# Altium PCB V3mycar.PcbDoc (part 4 of 4)
Units mil, origin at the board's own origin, x right, y up, seen from the top; angles counter-clockwise.
Board outline 5668.3 x 4141.25 mil, 2 copper layers (Top Layer, Bottom Layer); 227 components, 0 nets, 638 pads, 77 vias.
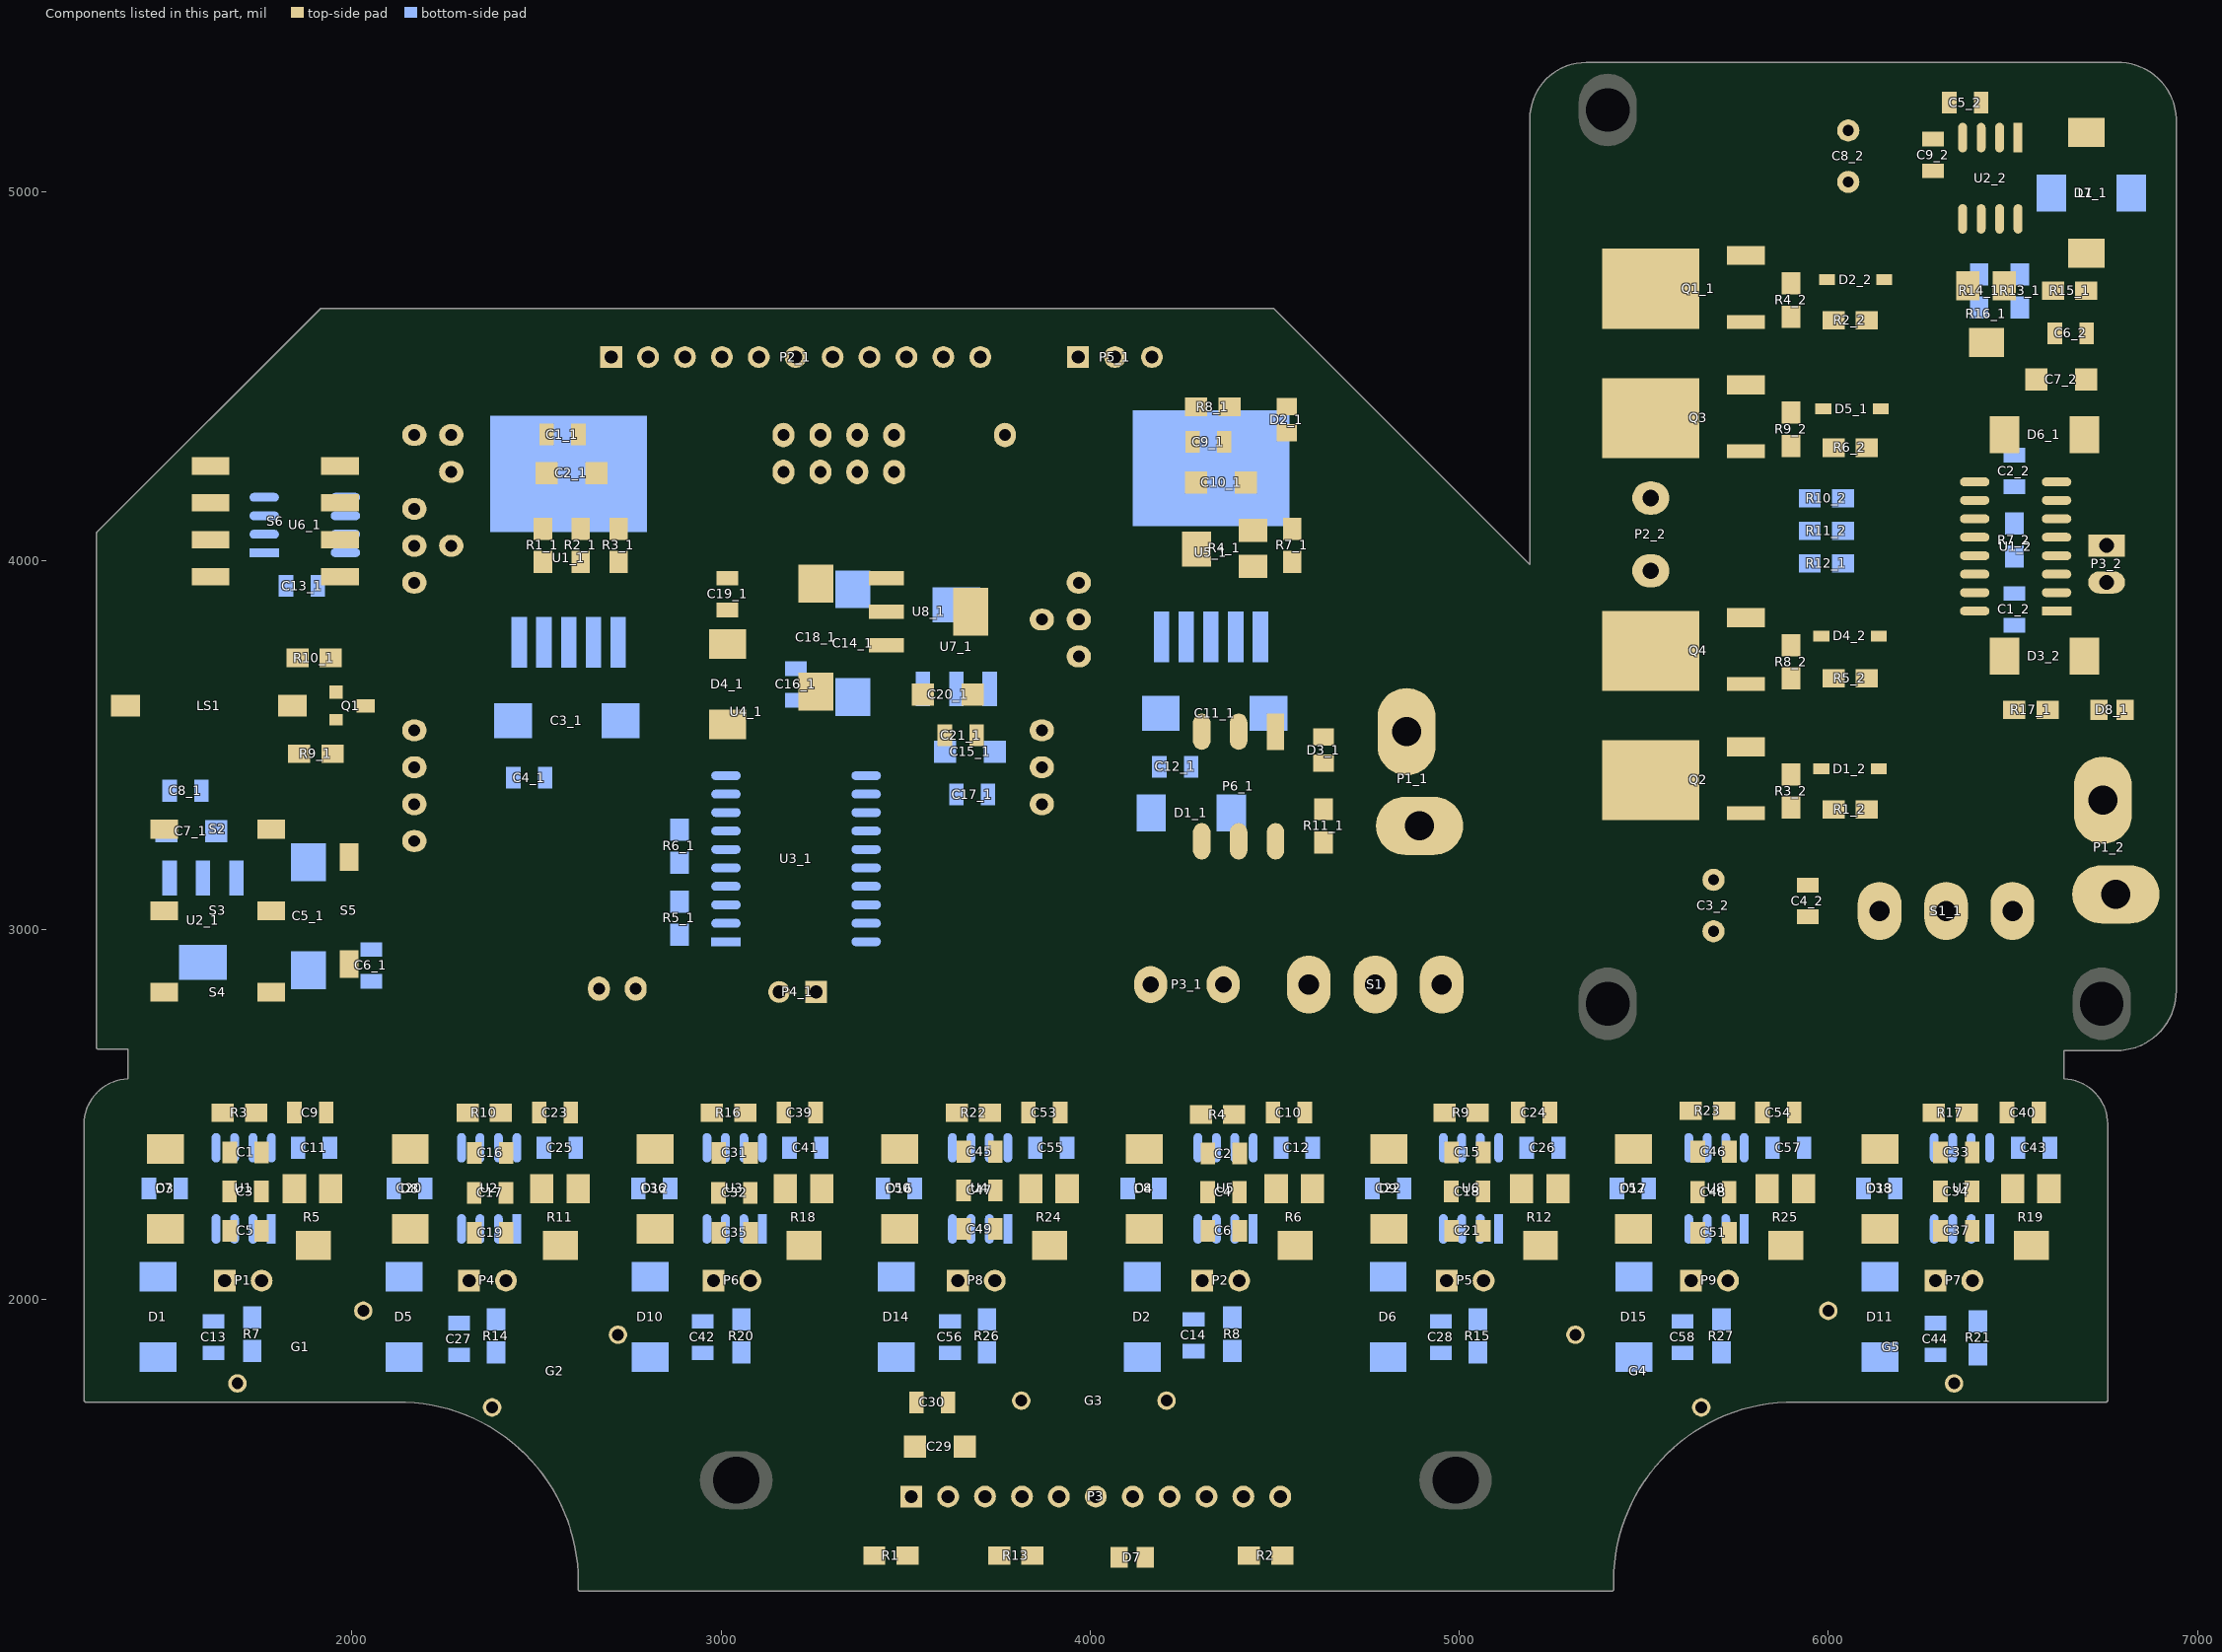
[diagram p4: the components of this part, seen from the top]

## Via types
v1: diameter 30, hole 20, Top Layer to Bottom Layer, 49 vias
v2: diameter 25, hole 18, Top Layer to Bottom Layer, 9 vias
v3: diameter 40, hole 30, Top Layer to Bottom Layer, 6 vias
v4: diameter 78.74, hole 39.37, Top Layer to Bottom Layer, 4 vias
v5: diameter 35, hole 20, Top Layer to Bottom Layer, 4 vias
v6: diameter 20, hole 15, Top Layer to Bottom Layer, 4 vias
v7: diameter 60, hole 30, Top Layer to Bottom Layer, 1 vias

## Nets (pads, with @x,y where several pads share a name; then routed paths per layer and width w, separated by ;. In a path a pad name is that pad's centre, name@x,y a point inside that pad or via, vN(x,y) a via of type N, cw(c..) or ccw(c..) an arc to the next point about the centre after c; other vN are vias at no path point) (continued)
copper on no net: (continued)
  Top Layer w30: v1(1450,2300) 1450,2362 1495,2407 ; 1495,2190 1390,2190 1355,2225 1355,2450 1467.01,2562.01 1675,2562.01 ; v1(1585,2395) 1666.04,2395 1668.66,2397.62 ; 1650,2505 1650,2537.01 1675,2562.01 ; 1671.76,2558.77 1675,2562.01 ; 1689.52,1771.57 2314.52,1771.57 2379.52,1706.57 3168.43,1706.57 3335,1540 v6(3335,1375) ; 1740,2505 1754.66,2490.34 1754.66,2397.62 ; 1754.06,2291.31 1755,2290.38 1755,2050 ; 1781.09,2831.13 1942.09,2992.13 2012.09,2992.13 2168.86,3148.9 2168.86,3240.91 ; 1781.09,3052.13 1962.09,3052.13 2077.09,3167.13 2077.09,3277.13 2140.87,3340.91 2168.86,3340.91 ; 1781.09,3273.13 1878.09,3273.13 2145.87,3540.91 2168.86,3540.91 ; 1838.46,3607.13 1876.22,3569.37 1956.81,3569.37 ; v1(1843.82,2226.18) 1843.82,2298.86 ; 1852.09,3737.13 1852.09,3707.13 1914.84,3644.37 1956.81,3644.37 ; 1895,2145.31 1942.24,2192.56 1942.24,2298.86 v1(1942.24,2367.76) ; 1930,2505 1930,2545 1912.99,2562.01 ; 1942.09,3737.13 1965.08,3737.13 2168.86,3940.91 ; 1947.09,3477.13 1967.09,3477.13 2036.81,3546.85 2036.81,3606.37 ; 1992.09,3197.13 1992.09,3292.13 2140.87,3440.91 2168.86,3440.91 ; 2030.48,1968.43 2655.48,1968.43 ; v1(2112.86,2300) 2112.86,2362 2157.86,2407 ; v1(2245,2385) 2255.96,2395.96 2331.52,2395.96 ; 2312.86,2505 2312.86,2539.87 2335,2562.01 ; 2317.14,2050 2331.52,2064.38 2331.52,2180 2167.86,2180 2157.86,2190 2095,2190 2050,2235 2050,2557.01 2055,2562.01 ; 2402.86,2505 2417.52,2490.34 2417.52,2395.96 ; 2416.92,2287.98 2417.14,2287.76 2417.14,2050 ; v1(2495,2225) 2513.82,2243.82 2513.82,2298.86 ; 2565,2145.31 2612.24,2192.56 2612.24,2298.86 2605,2306.1 v1(2605,2370) ; 2592.86,2505 2592.86,2532.14 2562.99,2562.01 ; 2720.48,1903.43 2655.48,1968.43 ; v1(2775.71,2300) 2775.71,2362 2820.71,2407 ; v1(2910,2395) 2909.04,2395.96 2993.66,2395.96 ; 2975,2505 2975,2562.01 ; 2979.29,2050 2993.66,2064.38 2993.66,2180 2830.71,2180 2820.71,2190 2755,2190 2690,2255 2690,2562.01 ; 3065,2505 3079.66,2490.34 3079.66,2395.96 ; 3079.06,2287.98 3079.29,2287.76 3079.29,2050 ; v1(3155,2225) 3173.82,2243.82 3173.82,2298.86 ; 3225,2145.31 3272.24,2192.56 3272.24,2298.86 3271.43,2299.67 3275,2303.25 v1(3275,2370) ; 3255.71,2505 3255.71,2561.29 3255,2562.01 ; 3415,1305 3415,1750 3196.57,1968.43 ; v1(3438.57,2300) 3438.57,2362 3483.57,2407 ; v1(3580,2400) 3580.71,2399.29 3657.23,2399.29 ; 3638.57,2505 3638.57,2560.58 3640,2562.01 ; 3641.43,2050 3657.23,2065.8 3657.23,2190 3483.57,2190 3430,2190 3355,2265 3355,2562.01 ; 3728.57,2505 3743.23,2490.34 3743.23,2399.29 ; 3741.43,2050 3741.43,2293.44 3742.63,2294.65 ; v6(3808.43,1968.43) 3196.57,1968.43 ; 3813.15,1725 3955,1725 4133.43,1903.43 5314.52,1903.43 5379.52,1968.43 5999.52,1968.43 ; v1(3820,2220) 3838.82,2238.82 3838.82,2298.86 ; 3843.33,1305 4073.47,1305 4078.1,1300.37 ; 3890,2145.31 3937.24,2192.56 3937.24,2298.86 3937.24,2367.76 v1(3936.12,2368.88) ; 3918.57,2505 3918.57,2560.58 3920,2562.01 ; v1(4101.43,2300) 4101.43,2362 4146.43,2407 ; 4206.85,1725 4255,1725 4515,1465 ; v1(4225,2395) 4225.71,2394.29 4318.66,2394.29 ; 4300,2500 4300,2557.01 4305,2562.01 ; 4390,2500 4404.66,2485.34 4404.66,2394.29 ; 4403.57,2050 4403.57,2289.15 4404.06,2289.65 ; 4430,1305 4425.37,1300.37 4148.97,1300.37 4148.97,1351.03 4115,1385 3650,1385 3615,1420 3615,1465 3615,1555 3660,1600 3615,1645 3615,1720 3615,1730 3680,1795 3895,1795 4150,2050 4303.57,2050 4318.66,2065.09 4318.66,2185 4151.43,2185 4146.43,2190 4060,2190 4030,2220 4030,2562.01 ; v1(4485,2225) 4503.82,2243.82 4503.82,2298.86 ; 4515,1310 4515,1465 ; 4555,2145.31 4602.24,2192.56 4602.24,2298.86 4600,2301.1 4605,2306.1 v1(4605,2370) ; 4581.43,2505 4581.43,2558.44 4585,2562.01 ; v1(4764.29,2300) 4764.29,2362 4809.29,2407 ; v1(4887.62,2397.62) 4978.66,2397.62 ; 4960,2505 4960,2557.01 4965,2562.01 ; 4965.71,2050 4978.66,2062.95 4978.66,2185 4814.29,2185 4809.29,2190 4740,2190 4685,2245 4685,2562.01 ; 5050,2505 5064.66,2490.34 5064.66,2397.62 ; 5064.06,2291.31 5065.71,2289.66 5065.71,2050 ; v1(5150,2230) 5168.82,2248.82 5168.82,2298.86 ; 5220,2145.31 5267.24,2192.56 5267.24,2298.86 5265,2301.1 5270,2306.1 v1(5270,2370) ; 5245,2505 5245,2562.01 ; v1(5427.14,2300) 5427.14,2362 5472.14,2407 ; v1(5555,2395) 5559.29,2399.29 5645.8,2399.29 ; 5627.14,2510 5627.14,2559.87 5625,2562.01 ; 5627.86,2050 5645.8,2067.95 5645.8,2180 5482.14,2180 5472.14,2190 5390,2190 5355,2225 5355,2562.01 ; 5717.14,2510 5731.8,2495.34 5731.8,2399.29 ; 5727.86,2050 5727.86,2286.3 5731.21,2289.65 ; v1(5815,2225) 5833.82,2243.82 5833.82,2298.86 ; 5885,2145.31 5932.24,2192.56 5932.24,2298.86 5935,2301.61 v1(5935,2370) ; 5907.14,2505 5907.14,2559.15 5910,2562.01 ; v1(6095,2300) 6095,2362 6140,2407 ; v1(6230,2395) 6232.62,2397.62 6303.66,2397.62 ; 6285,2505 6285,2557.01 6280,2562.01 ; 6290,2050 6303.66,2063.66 6303.66,2185 6145,2185 6140,2190 6065,2190 6020,2235 6020,2562.01 ; 6340.48,1771.57 5720.48,1771.57 5655.48,1706.57 4756.57,1706.57 4515,1465 ; 6375,2505 6389.66,2490.34 6389.66,2397.62 ; 6389.06,2291.31 6390,2290.38 6390,2050 ; v1(6485,2220) 6498.82,2233.82 6498.82,2298.86 ; 6550,2145.31 6597.24,2192.56 6597.24,2298.86 6600,2301.61 v1(6600,2370) ; 6570,2505 6570,2537.01 6545,2562.01 6280,2562.01 ; 1675,2562.01 1912.99,2562.01 ; 1912.99,2562.01 2055,2562.01 ; 2055,2562.01 2335,2562.01 ; 2335,2562.01 2562.99,2562.01 ; 2562.99,2562.01 2690,2562.01 ; 2655.48,1968.43 3196.57,1968.43 ; 2690,2562.01 2975,2562.01 ; 2975,2562.01 3255,2562.01 ; 3255,2562.01 3355,2562.01 ; 3355,2562.01 3640,2562.01 ; 3640,2562.01 3920,2562.01 ; 3920,2562.01 4030,2562.01 ; 4030,2562.01 4305,2562.01 ; 4305,2562.01 4585,2562.01 ; 4585,2562.01 4685,2562.01 ; 4685,2562.01 4965,2562.01 ; 4965,2562.01 5245,2562.01 ; 5245,2562.01 5355,2562.01 ; 5355,2562.01 5625,2562.01 ; 5625,2562.01 5910,2562.01 ; 5910,2562.01 6020,2562.01 ; 6020,2562.01 6280,2562.01
  Top Layer w35: 5518.72,3756.55 5518.72,3671.43 5608.62,3581.54 6143.62,3581.54 6238.62,3676.54 6238.62,3821.54 6331.04,3913.95 v2(6396.2,3913.95) ; 5518.72,4386.89 5518.72,4481.64 5588.62,4551.54 6113.62,4551.54 6238.62,4426.54 6238.62,4186.54 6311.2,4113.95 v2(6396.2,4113.95) ; 5776.6,3316.46 6003.54,3316.46 6013.62,3326.54 6013.62,3403.78 5980.87,3436.54 ; 5776.6,3495.98 v4@5823.86,3495.98 ; 5776.6,3666.79 5998.88,3666.79 6013.62,3681.54 6013.62,3763.78 5980.87,3796.54 ; 5776.6,4297.12 6004.21,4297.12 6013.62,4306.54 6013.62,4383.78 5985.87,4411.54 ; 5776.6,4647.46 6009.54,4647.46 6013.62,4651.54 6013.62,4743.78 5995.87,4761.54 ; 6103.62,3326.54 6103.62,3403.78 6136.38,3436.54 6303.62,3603.78 6303.62,3806.54 6361.04,3863.95 6396.2,3863.95 ; 6103.62,3681.54 6103.62,3763.78 6136.38,3796.54 6136.38,3819.29 6281.04,3963.95 6396.2,3963.95 ; 6141.38,4411.54 6103.62,4373.78 6103.62,4306.54 6103.62,4191.54 6281.2,4013.95 6396.2,4013.95 ; 6151.38,4761.54 6103.62,4713.78 6103.62,4651.54 6303.62,4451.54 6303.62,4201.54 6341.2,4163.95 6396.2,4163.95 ; 6413.62,5146.54 6413.62,5251.54 ; 6618.09,3963.95 6731.2,3963.95 6753.62,3941.54 ; 6618.09,4013.95 6726.04,4013.95 6753.62,4041.54
  Top Layer w40: 1495,2190 1500,2185 1668.66,2185 1668.66,2063.66 1655,2050 ; v1(1772.09,3477.13) 1857.09,3477.13 ; 1992.09,2907.13 1992.09,2812.13 1927.09,2747.13 1575.09,2747.13 1491.09,2831.13 1491.09,3052.13 1491.09,3273.13 1491.09,3501.75 1385.71,3607.13 1616.89,3838.31 1616.89,3957.13 1616.89,4057.13 1616.89,4157.13 1616.89,4257.13 1986.89,4627.13 2762.09,4627.13 2802.09,4587.13 2802.09,4552.13 2802.09,4447.13 2697.09,4342.13 2613.09,4342.13 2613.09,4286.13 2662.09,4237.13 2722.09,4177.13 2722.09,4087.13 2883.09,4087.13 3017.09,3953.13 ; 3017.54,3952.68 3447.91,3952.68 3516.54,3952.68 3547.09,3922.13 3547.09,3637.13 3606.09,3578.13 3606.09,3527.13 3606.09,3463.13 3728.31,3340.91 3868.86,3340.91 3868.86,3440.91 ; 3515,1465 3515,1315 3505,1305 3753.33,1305 ; v6(3637.09,3087.13) 4392.09,3087.13 4502.09,3197.13 4502.09,3240.28 ; 4377.09,4417.13 4531.65,4417.13 ; 4441,3984.62 4453.5,3997.13 4547.09,3997.13 ; v3(4460.94,3910.98) 4460.94,3964.68 ; 4632.09,3327.13 4632.09,3451.69 ; 5688.62,3135.91 5949.25,3135.91 6034.88,3221.54 6493.62,3221.54 6623.62,3351.54 6743.62,3351.54 6804.06,3411.97 6804.06,3596.54 6893.62,3686.1 6893.62,4141.54 6891.2,4143.95 ; 6052.99,5166.54 6196.73,5310.28 6557.36,5310.28 ; 6053.62,5026.54 6368.62,5026.54 6413.62,4981.54 v2(6413.62,4926.54) ; 6053.62,5165.91 6072.99,5146.54 6268.62,5146.54 ; 6327.62,5251.54 6327.62,5205.54 6268.62,5146.54 ; 6353.62,5146.54 6268.62,5146.54 ; 6363.62,4926.54 6363.62,4881.54 6475.87,4769.29 6475.87,4745.39 ; 6377.44,4745.39 6377.44,4643.03 6428.62,4591.85 ; 6396.2,4063.95 6466.04,4063.95 6518.62,4116.54 ; v5(6428.62,4481.54) 6428.62,4591.85 ; 6463.62,5146.54 6463.62,5216.54 6557.36,5310.28 ; 6489.72,4731.54 6608.62,4731.54 ; 6503.62,3596.54 6503.62,3714.54 6476.62,3741.54 6518.62,3783.54 6518.62,3946.54 ; 6563.62,4491.54 6613.62,4541.54 6613.62,4616.54 6453.31,4616.54 6428.62,4591.85 ; 6593.62,3596.54 6733.19,3596.54 ; 6618.09,3913.95 6551.2,3913.95 6518.62,3946.54 ; v2(6618.09,4113.95) 6891.2,4113.95 6891.2,4143.95 ; 6618.09,4163.95 6561.2,4163.95 6518.62,4206.54 ; 6618.09,4213.95 6821.2,4213.95 6891.2,4143.95 ; v2@6624.57,3857.48 6693.62,3788.43 6693.62,3741.54 ; v5(6820.62,4996.54) 6820.62,4778.54 6773.62,4731.54 6698.62,4731.54 6698.62,4346.54 6693.62,4341.54 6628.62,4341.54 6518.62,4231.54 6518.62,4206.54 ; 6518.62,3946.54 6518.62,4116.54 ; 6518.62,4116.54 6518.62,4206.54 ; 6557.36,5310.28 6768.37,5310.28 6769.06,5309.59 6770.57,5309.59 6891.2,5188.95 6891.2,4143.95
  Top Layer w45: 6393.62,4226.54 6393.62,4258.54 v2(6418.62,4283.54) 6476.62,4341.54
  Top Layer w50: v3(2453.23,3900.98) 2453.23,4163.27 2527.09,4237.13 2527.09,4342.13 2527.09,4437.13 2642.09,4552.13 2702.09,4552.13 ; 2453.23,3997.13 2517.09,3997.13 ; 2517.09,4087.13 2619.59,4087.13 ; 2619.59,3997.13 2722.09,3997.13 v3(2722.09,3902.13) ; 5518.72,4737.22 5518.72,4831.64 5713.62,5026.54 6053.62,5026.54 ; 5776.6,3846.32 5823.84,3846.32 v4(5843.62,3826.54) ; 5776.6,4476.65 5823.37,4476.65 v4(5843.49,4456.54) ; 5776.6,4826.98 5823.13,4826.98 5843.58,4806.54 v4@5843.62,4806.57 ; v4@5823.86,3495.98 v4(5843.31,3476.54) ; v4(5843.62,4811.56) v4@5843.62,4806.57 ; v4@5848.6,4801.52 5843.62,4806.5 v4@5843.62,4806.57 ; 6523.62,5146.54 v5(6588.62,5146.54) 6685,5146.54 6698.62,5160.16
  Top Layer w60: 3017.09,3867.13 3017.09,3774.13 3129.02,3774.13 3257.09,3646.06 3382.6,3771.57 3447.91,3771.57 ; 3515,1465 3529,1479 3529,1720 3529,1779 3615,1865 3850,1865 4030,2045 v3(4030,2095) ; 3692.09,3846.3 3692.09,3527.13 3705.87,3540.91 3868.86,3540.91 ; 4067.09,4552.13 4067.09,4512.13 4162.09,4417.13 4277.09,4417.13 4277.09,4211.69 4192.09,4116.69 4192.09,4027.13 ; v3(4192.09,3912.13) 4192.09,4027.13 ; 4441,4083.05 4338.64,4083.05 4287.46,4031.87 4196.83,4031.87 4192.09,4027.13 ; 4505.24,3237.13 4632.09,3237.13 ; 4512.09,3537.13 4617.52,3537.13 4632.09,3522.56 4842.52,3522.56 ; 4527.3,4341.91 4507.52,4322.13 4377.09,4322.13 4370.09,4315.13 4422.09,4263.13 4422.09,4211.69 4487.52,4211.69 4547.09,4152.13 4547.09,4087.13 4662.09,4087.13 4857.09,3892.13 4857.09,3537.13
  Top Layer w80: v7(2447.09,2997.13) 3272.09,2997.13 ; v3(3127.09,3557.13) 3017.09,3557.13 3017.09,3252.13 3272.09,2997.13 ; 4360.51,2852.13 4215.51,2997.13 3272.09,2997.13
  Top Layer w100: v4(5843.31,3476.54) 5883.46,3436.38 ; v4(5843.49,4456.54) 5883.56,4416.47 ; v4(5843.62,3826.54) 5883.62,3786.54 ; v4@5848.6,4801.52 5883.6,4766.52
  Top Layer w137.8: 5518.72,4737.22 5409.31,4737.22 5283.62,4611.54 5283.62,3551.54 5428.94,3406.22 5518.72,3406.22 5518.72,3096.43 5618.62,2996.54 5688.62,2996.54 6083.62,2996.54 6138.62,3051.54
  Top Layer w150: 4772.09,2852.13 4772.09,3162.13 4892.09,3282.13
  Top Layer w157.48: 5518.62,3973.11 5518.72,3973.01 5518.72,3756.55 ; 5518.62,4169.96 5518.72,4170.06 5518.72,4386.89
  Top Layer w196.85: 6343.62,3051.54 6498.62,3051.54 6733.62,3051.54 ; 6738.62,3056.54 6778.62,3096.54
  Bottom Layer w20: 1982.09,4122.13 2032.09,4122.13 2113.31,4040.91 2168.86,4040.91 ; 1982.09,4172.13 2047.09,4172.13 2127.81,4091.41 2218.36,4091.41 2268.86,4040.91 ; 2902.09,4552.13 2902.09,4542.13 3062.09,4382.13 3127.64,4382.13 3168.86,4340.91 ; 3002.09,4552.13 3112.09,4442.13 3157.09,4442.13 3219.36,4379.85 3219.36,4291.41 3168.86,4240.91 ; 3102.09,4552.13 3268.86,4385.35 3268.86,4340.91 ; 3202.09,4552.13 3202.09,4522.13 3319.36,4404.85 3319.36,4291.41 3268.86,4240.91 ; 3302.09,4552.13 3302.09,4542.13 3368.86,4475.35 3368.86,4340.91 ; 3368.86,4240.91 3418.36,4290.41 3418.36,4535.85 3402.09,4552.13 ; 3468.86,4240.51 3602.09,4373.74 3602.09,4552.13 ; 3468.86,4340.51 3468.86,4358.9 3502.09,4392.13 3502.09,4552.13 ; 3702.09,4552.13 3702.09,4407.68 3768.86,4340.91
  Bottom Layer w30: v1(1450,2300) 1450,2085 1475,2060 ; 1475,1843 1492,1860 1730,1860 1920,1860 2015,1765 2490,1765 2630,1625 3555,1625 3715,1465 ; 1536,2300 1536,2346 v1(1585,2395) 1600,2410 1631.65,2410 ; v1(1668.06,2291.31) 1681.65,2277.73 1681.65,2190 ; 1731.65,2410 1731.65,2461.65 1775,2505 v1(1844,2505) ; 1781.65,2190 1807.64,2190 v1(1843.82,2226.18) ; 1781.65,2410 1854,2410 ; 1940,2410 1942.76,2407.24 1942.24,2406.73 v1(1942.24,2367.76) ; v1(2112.86,2300) 2112.86,2088.57 2141.43,2060 ; 2141.43,1843 2153.43,1855 2390,1855 2570,1855 2745,1680 3600,1680 3815,1465 ; 2198.86,2300 2198.86,2338.86 v1(2245,2385) 2270,2410 2296.65,2410 ; 2296.65,2190 2296.65,2070.49 2317.14,2050 ; v1(2330.92,2287.98) 2346.65,2272.25 2346.65,2190 ; 2390,1945 2300,1945 2300,2032.86 2317.14,2050 ; 2396.65,2190 2396.65,2129.51 2317.14,2050 ; 2396.65,2410 2396.65,2476.65 2425,2505 v1(2506.86,2505) ; 2446.65,2190 2460,2190 v1(2495,2225) ; 2446.65,2410 2519.71,2410 ; v1(2605,2370) 2605,2409.29 2605.71,2410 ; 2668.86,2840.91 2668.86,3063.9 2787.09,3182.13 2887.09,3182.13 2892.09,3182.13 2956.09,3118.13 3013.09,3118.13 ; 2768.86,2840.91 2768.86,3023.9 2822.09,3077.13 2887.09,3077.13 2902.09,3077.13 2961.09,3018.13 3013.09,3018.13 ; v1(2775.71,2300) 2775.71,2092.14 2807.86,2060 ; 2807.86,1843 2819.86,1855 3055,1855 3170,1740 3640,1740 3915,1465 ; 2861.71,2300 2861.71,2346.71 v1(2910,2395) 2925,2410 2961.65,2410 ; 2961.65,2190 2961.65,2067.64 2979.29,2050 ; v1(2993.06,2287.98) 3011.65,2269.39 3011.65,2190 ; 3055,1945 2955,1945 2979.29,1969.29 2979.29,2050 ; 3061.65,2190 3061.65,2132.36 2979.29,2050 ; 3061.65,2410 3061.65,2471.65 3095,2505 v1(3169.71,2505) ; 3107.09,3218.13 3393.09,3218.13 3456.09,3218.13 3487.09,3187.13 3487.09,3142.13 ; 3111.65,2190 3120,2190 v1(3155,2225) ; 3111.65,2410 3185.43,2410 ; 3271.43,2410 3275,2406.43 v1(3275,2370) ; v6(3335,1375) 4425,1375 4515,1465 ; 3393.09,3018.13 3458.09,3018.13 3487.09,3047.13 3487.09,3142.13 ; 3393.09,3118.13 3463.09,3118.13 3487.09,3142.13 ; v1(3438.57,2300) 3438.57,2095.71 3474.29,2060 ; 3474.29,1843 3617,1843 ; 3524.57,2300 3524.57,2344.57 v1(3580,2400) 3590,2410 3626.65,2410 ; 3620,1854 3719,1854 3720,1855 3730,1845 3730,1730 3890,1570 3910,1570 4015,1465 ; 3626.65,2190 3626.65,2064.78 3641.43,2050 ; v1(3656.63,2294.65) 3676.65,2274.63 3676.65,2190 ; 3720,1945 3625,1945 3641.43,1961.43 3641.43,2050 ; 3726.65,2190 3726.65,2135.22 3641.43,2050 ; 3726.65,2410 3726.65,2476.65 3755,2505 v1(3832.57,2505) ; 3776.65,2190 3790,2190 v1(3820,2220) ; 3776.65,2410 3851.14,2410 ; v6(3808.43,1968.43) 3808.43,1729.72 3813.15,1725 ; v1(3936.12,2368.88) 3936.12,2406.74 3935,2407.86 3937.14,2410 ; 3967.09,3942.68 3967.09,4552.13 ; v1(4101.43,2300) 4101.43,2099.29 4140.71,2060 ; 4115,1465 4115,1475 4385,1745 4385,1860 4157.71,1860 4140.71,1843 4115,1817.29 ; 4187.43,2300 4187.43,2357.43 v1(4225,2395) 4240,2410 4291.65,2410 ; 4215,1465 4593,1843 4807.14,1843 4819.14,1855 5050,1855 ; 4291.65,2190 4291.65,2061.92 4303.57,2050 ; 4315,1465 4535,1685 5315.57,1685 5473.57,1843 5485.57,1855 5710,1855 ; v1(4318.06,2289.65) 4341.65,2266.06 4341.65,2190 ; 4385,1950 4380,1945 4280,1945 4303.57,1968.57 4303.57,2050 ; 4391.65,2190 4391.65,2138.08 4303.57,2050 ; 4391.65,2410 4391.65,2466.65 4430,2505 v1(4495.43,2505) ; 4415,1465 4563.07,1613.07 5403.07,1613.07 5550,1760 6057,1760 6140,1843 6147,1850 6405,1850 ; 4441.65,2190 4450,2190 v1(4485,2225) ; 4441.65,2410 4516.86,2410 ; 4602.86,2410 4600,2407.14 4605,2402.14 v1(4605,2370) ; v1(4764.29,2300) 4764.29,2102.86 4807.14,2060 ; 4850.29,2300 4850.29,2360.29 v1(4887.62,2397.62) 4900,2410 4956.65,2410 ; 4956.65,2190 4956.65,2059.06 4965.71,2050 ; v1(4978.06,2291.31) 5006.65,2262.73 5006.65,2190 ; 5050,1945 4955,1945 4965.71,1955.71 4965.71,2050 ; 5056.65,2190 5056.65,2140.94 4965.71,2050 ; 5056.65,2410 5056.65,2456.65 5105,2505 v1(5159,2505) ; 5106.65,2190 5110,2190 v1(5150,2230) ; 5106.65,2410 5182.57,2410 ; 5268.57,2410 5265,2406.43 5270,2401.43 v1(5270,2370) ; v1(5427.14,2300) 5427.14,2106.43 5473.57,2060 ; 5513.14,2300 5513.14,2353.14 v1(5555,2395) 5570,2410 5621.65,2410 ; 5621.65,2069.79 5621.65,2190 ; v1(5645.21,2289.65) 5671.65,2263.2 5671.65,2190 ; 5710,1945 5610,1945 5627.86,1962.86 5627.86,2050 5721.65,2143.79 5721.65,2190 ; 5721.65,2410 5721.65,2466.65 5760,2505 v1(5821.14,2505) ; 5771.65,2190 5780,2190 v1(5815,2225) ; 5771.65,2410 5848.29,2410 ; 5934.29,2410 5932.24,2407.96 5935,2405.2 v1(5935,2370) ; v1(6095,2300) 6095,2105 6140,2060 ; 6181,2300 6181,2346 v1(6230,2395) ; 6245,2410 6286.65,2410 ; 6286.65,2190 6286.65,2053.35 6290,2050 ; v1(6303.06,2291.31) 6336.65,2257.73 6336.65,2190 ; 6386.65,2190 6386.65,2146.65 6290,2050 ; 6386.65,2410 6386.65,2471.65 6420,2505 v1(6484,2505) ; 6405,1940 6295,1940 6290,1935 6290,2050 ; 6436.65,2190 6455,2190 v1(6485,2220) ; 6436.65,2410 6514,2410 ; v1(6600,2370) 6600,2410
  Bottom Layer w35: v2(6396.2,3913.95) 6501.2,3913.95 6503.62,3911.54 ; v2(6396.2,4113.95) 6482.78,4200.54 6503.62,4200.54 ; 6408.62,4686.54 6463.62,4686.54 ; v2(6463.62,4926.54) 6463.62,4686.54 ; v5(6698.62,4832.91) 6698.62,4776.54 6608.62,4686.54 6518.62,4686.54 6463.62,4686.54
  Bottom Layer w40: 1506.09,3140.85 1506.09,3377.13 1506.09,3556.13 1821.09,3871.13 1821.09,3932.13 1821.09,3963.13 1762.09,4022.13 1762.09,4072.13 ; 1596.09,3140.3 1596.09,3373.13 1592.09,3377.13 1592.09,3477.13 ; 1631.65,2190 1631.65,2073.35 1655,2050 ; 1681.65,2410 1681.65,2486.65 1750,2555 2345,2555 ; 1730,1950 1720,1940 1655,1940 1655,2050 ; 1731.65,2190 1731.65,2126.65 1655,2050 ; v1(1772.09,3477.13) 1592.09,3477.13 ; 1912.18,2861.13 2052.09,2861.13 2176.09,2737.13 2887.09,2737.13 ; 1982.09,4022.13 1942.09,4022.13 1907.09,3987.13 1907.09,3932.13 1907.09,3792.13 1592.09,3477.13 ; 1982.09,4072.13 1762.09,4072.13 ; 2346.65,2410 2346.65,2553.35 2345,2555 ; 2523.09,3412.13 2572.99,3412.13 2578.99,3418.13 ; 2587.09,3779.02 2587.09,4236.02 ; 2654.02,3779.02 2654.02,3641.1 2727.99,3567.13 2578.99,3418.13 ; 2802.09,4552.13 2802.09,4451.02 2587.09,4236.02 ; 2887.09,3272.13 2933.09,3318.13 3013.09,3318.13 3073.09,3318.13 ; 3011.65,2410 3011.65,2553.35 ; 3013.09,3218.13 3063.09,3218.13 ; 3157.09,2832.13 3157.09,3022.13 3303.09,3168.13 3393.09,3168.13 ; 3257.09,2832.13 3257.09,2987.13 3338.09,3068.13 3393.09,3068.13 ; 3393.09,2968.13 3518.09,2968.13 v6(3637.09,3087.13) 3637.09,3367.13 ; 3393.09,3318.13 3107.09,3318.13 ; 3393.09,3418.13 3066.09,3418.13 ; 3676.65,2410 3676.65,2553.35 ; 3868.86,3340.91 3749.31,3340.91 3723.09,3367.13 3727.64,3371.68 3727.64,3652.95 3727.64,3741.57 3692.09,3777.13 3502.99,3777.13 3357.09,3923.03 3202.09,3768.03 3202.09,3708.13 3148.09,3708.13 3013.09,3573.13 3013.09,3418.13 ; 4163.66,2852.13 4048.66,2737.13 2887.09,2737.13 ; 4341.65,2410 4341.65,2553.35 ; 4460.94,3794.02 v3(4460.94,3910.98) ; 5006.65,2410 5006.65,2553.35 ; 5671.65,2410 5671.65,2553.35 5670,2555 ; 6039.29,3992.8 6359.88,3992.8 6468.62,4101.54 6503.62,4101.54 6516.04,4113.95 v2(6618.09,4113.95) 6618.09,4292.06 v5(6428.62,4481.54) ; 6336.65,2410 6336.65,2523.35 6305,2555 5670,2555 ; 6413.62,4781.54 v2(6413.62,4926.54) ; 6503.62,3825.54 6579.68,3825.54 v2@6612.15,3858.01 ; v2(6513.62,4926.54) 6513.62,4781.54 6518.62,4776.54 ; 1762.09,4072.13 1762.09,4122.13 1762.09,4172.13 1762.09,4242.13 2022.09,4502.13 2320.98,4502.13 2587.09,4236.02 ; 2345,2555 5670,2555 ; 2578.99,3418.13 3013.09,3418.13 ; 2887.09,2737.13 2887.09,2987.13 2906.09,2968.13 3013.09,2968.13 3068.09,2968.13 3107.09,3007.13 3107.09,3218.13 3063.09,3218.13 ; 3013.09,3418.13 3066.09,3418.13 ; 3063.09,3218.13 3107.09,3262.13 3107.09,3318.13 ; 3066.09,3418.13 3107.09,3377.13 3107.09,3352.13 3073.09,3318.13 ; 3073.09,3318.13 3107.09,3318.13
  Bottom Layer w45: v2(6418.62,4283.54) 6421.62,4286.54 6503.62,4286.54 ; 6503.62,4011.54 6565.68,4011.54 v2@6612.15,4058.01
  Bottom Layer w50: 2453.23,3779.02 v3(2453.23,3900.98) ; 2587.09,3779.02 2654.02,3779.02 ; 2720.94,3779.02 2720.94,3900.98 v3(2722.09,3902.13) ; 4165.09,3317.13 4191.02,3343.06 4191.02,3587.13 4260.16,3656.26 4260.16,3794.02 ; v5(6588.62,5146.54) 6588.62,5011.54 6603.62,4996.54
  Bottom Layer w60: 2520.16,3649.13 2520.16,3779.02 ; 3637.09,3367.13 3637.09,3652.95 ; v3(4030,2095) 4030,2547.01 ; 4163.66,2852.13 4273.09,2961.55 4273.09,3442.13 4337.99,3442.13 4482.99,3587.13 ; 4167.09,4552.13 4327.09,4392.13 4327.09,4251.02 4327.09,3794.02 4394.02,3794.02 4394.02,3676.1 4482.99,3587.13 ; v3(4192.09,3912.13) 4193.23,3910.98 4193.23,3794.02 ; 4857.09,3537.13 4807.09,3587.13 4482.99,3587.13 ; 6039.29,3992.8 v6(6039.29,4081.06) 6039.29,4169.33
  Bottom Layer w80: 1686.64,3140.3 1839.2,3140.3 1882.09,3183.19 1882.09,3117.13 2052.09,2947.13 2102.09,2997.13 v7(2447.09,2997.13) 2437.09,3007.13 2437.09,3412.13 2437.09,3566.06 2520.16,3649.13 ; v3(3127.09,3557.13) 3192.09,3622.13 3202.09,3622.13 3515.71,3622.13 3533.9,3640.32 ; 4360.51,2852.13 4382.09,2873.7 4382.09,3317.13
  Bottom Layer w100: v4(5843.49,4456.54) 5933.62,4366.4 5933.62,3916.54 v4(5843.62,3826.54)
  Bottom Layer w157.48: 4360.51,2852.13 4592.09,2852.13 ; 5518.62,3973.11 5518.62,3801.22 v4(5843.31,3476.54) ; 5518.62,4169.96 5518.62,4471.57 ; 5518.62,4486.56 v4(5843.62,4811.56)
  other v2: 6618.09,3863.95 6618.09,4063.95

## Polygon pours and split planes (outlines as drawn)
no net on Bottom Layer "Bottom Layer-No Net" (solid, remove dead copper, pour order 18): 6003.62,5376.54 6003.62,2666.54 5143.62,2666.54 5143.62,5366.54
no net on Bottom Layer "Bottom Layer-No Net" (solid, remove dead copper, pour order 16): 6953.62,5366.54 6003.62,5366.54 6003.62,2666.54 6953.62,2666.54
no net on Bottom Layer "Bottom Layer-No Net" (solid, remove dead copper, pour order 8): 1297.09,4702.13 5137.09,4702.13 5147.09,4692.13 5147.09,2652.13 1307.09,2652.13 1297.09,2662.13
no net on Bottom Layer "Bottom Layer-No Net" (solid, remove dead copper, pour order 2): 1230,2605 1230,2505 6780,2505 6780,2605
no net on Bottom Layer "Bottom Layer-No Net" (solid, remove dead copper, pour order 0): 1230,2505 1230,1205 6780,1205 6780,2505
no net on Top Layer "Bottom Layer-No Net" (solid, remove dead copper, pour order 14): 6953.62,5366.54 6003.62,5366.54 6003.62,2666.54 6953.62,2666.54
no net on Top Layer "Bottom Layer-No Net" (solid, remove dead copper, pour order 12): 6003.62,3288.43 6003.62,3076.11 5564.04,3076.11 5563.62,3076.54 5563.62,3206.54 5623.62,3206.54 5693.62,3276.54
no net on Top Layer "Bottom Layer-No Net" (solid, remove dead copper, pour order 10): 6233.62,2666.54 5153.62,2666.54 5153.62,5366.54 6233.62,5366.54
no net on Top Layer "Bottom Layer-No Net" (solid, remove dead copper, pour order 6): 1897.09,4702.13 1297.09,4102.13 1297.09,2652.13 5147.09,2652.13 5147.09,4102.13 4547.09,4702.13
no net on Top Layer "Bottom Layer-No Net" (solid, remove dead copper, pour order 4): 1230,2605 1230,1205 6780,1205 6780,2605

## Keep-outs
Keep-Out Layer:
  lines w10: 1395,2682.13 1312.44,2682.13 1312.44,4074.02 1917.48,4679.06 4495.16,4679.06 5194.61,3979.61 ; 1397.32,2682.13 1397.32,2592.01 ccw(c1397.32,2473.9) 1279.21,2473.9 1279.21,1725.87 2145.35,1725.87 cw(c2125.67,1233.74) 2617.8,1214.06 5413.07,1214.06 cw(c5905.2,1233.74) 5885.51,1725.87 6751.65,1725.87 6751.65,2473.9 ccw(c6633.54,2473.9) 6633.54,2592.01 6633.54,2677.95 ; 5195.67,3979.61 5196.01,5197.64 cw(c5343.32,5197.96) 5342.99,5345.28 6780,5345.28 cw(c6784.92,5192.72) 6937.48,5197.64 6937.48,2835.43 cw(c6780,2835.43) 6780,2677.95 6632.95,2677.95

## Other copper
Top Layer:
  text "队名:大Q巴" at 2017.09,4507.13 h50
  text "2017/6/6" at 2022.09,4432.13 h50
  text "2017/6/6" at 6413.62,2856.54 h50 r180
  text "队员:覃昌祖.刘文财.刘文航" at 6413.62,2806.54 h50 r180
  text "队员:覃昌祖.刘文财.刘文航" at 1382.09,2782.13 h50 r90
  text "队名:大Q巴" at 6413.62,2756.54 h50 r180
  text "队名:大Q巴" at 4615,1305 h50
  text "2017/6/6" at 4920,1300 h50
  text "队员:覃昌祖.刘文财.刘文航" at 4615,1245 h50
Bottom Layer:
  pour cut-out: 2493.35,3124.41 2493.35,3313.14 2492.41,3313.14 cw(c2553.05,3291.22) 2612.09,3317.13 2611.46,3317.13 2611.46,3120.47 cw(c2553.12,3144)

## Silkscreen, mask and mechanical layers (free items; w line width, h text height)
Top Overlay:
  lines w10: 1374.98,4037.13 cw(c1434.03,4012.52) 1493.09,4037.13 ; 1375.24,4037.13 1375.24,3793.7 ccw(c1434.29,3818.31) 1493.35,3793.7 1493.35,4037.13 ; 2492.41,3313.14 cw(c2553.05,3291.22) 2612.09,3317.13 ; 2493.35,3313.14 2493.35,3124.41 ccw(c2553.12,3144) 2611.46,3120.47 2611.46,3317.13 ; 4918.54,3793.7 ccw(c4977.6,3818.31) 5036.65,3793.7 5036.65,4037.13 ccw(c4977.6,4012.52) 4918.54,4037.13 4918.54,3793.7

## Text inside footprints (layer, text, board x,y; h text height)
C3_2: Top Overlay "+" at 5668.94,2888.27 h35 r270
C8_2: Top Overlay "+" at 6033.94,4918.27 h35 r270
LS1: Top Overlay "+" at 1779.41,3646.5 h40 r180
S6: Top Overlay "4" at 1593.98,4007.76 h40 r270; Top Overlay "3" at 1593.98,4111.1 h40 r270; Top Overlay "2" at 1593.98,4209.53 h40 r270; Top Overlay "1" at 1593.98,4301.06 h40 r270; Top Overlay "ON" at 1936.89,4377.13 h40 r270